# Altium PCB TB-S5D5_v1.2.PcbDoc (part 2 of 3)
Units mm, origin at the board's own origin, x right, y up, seen from the top; angles counter-clockwise.
Board outline 80 x 125 mm, 6 copper layers (Top L1, Sig L2, GND L3, Sig L4, Sig L5, Bot L6), stack 1.601 mm thick; 125 components, 261 nets, 672 pads, 551 vias.
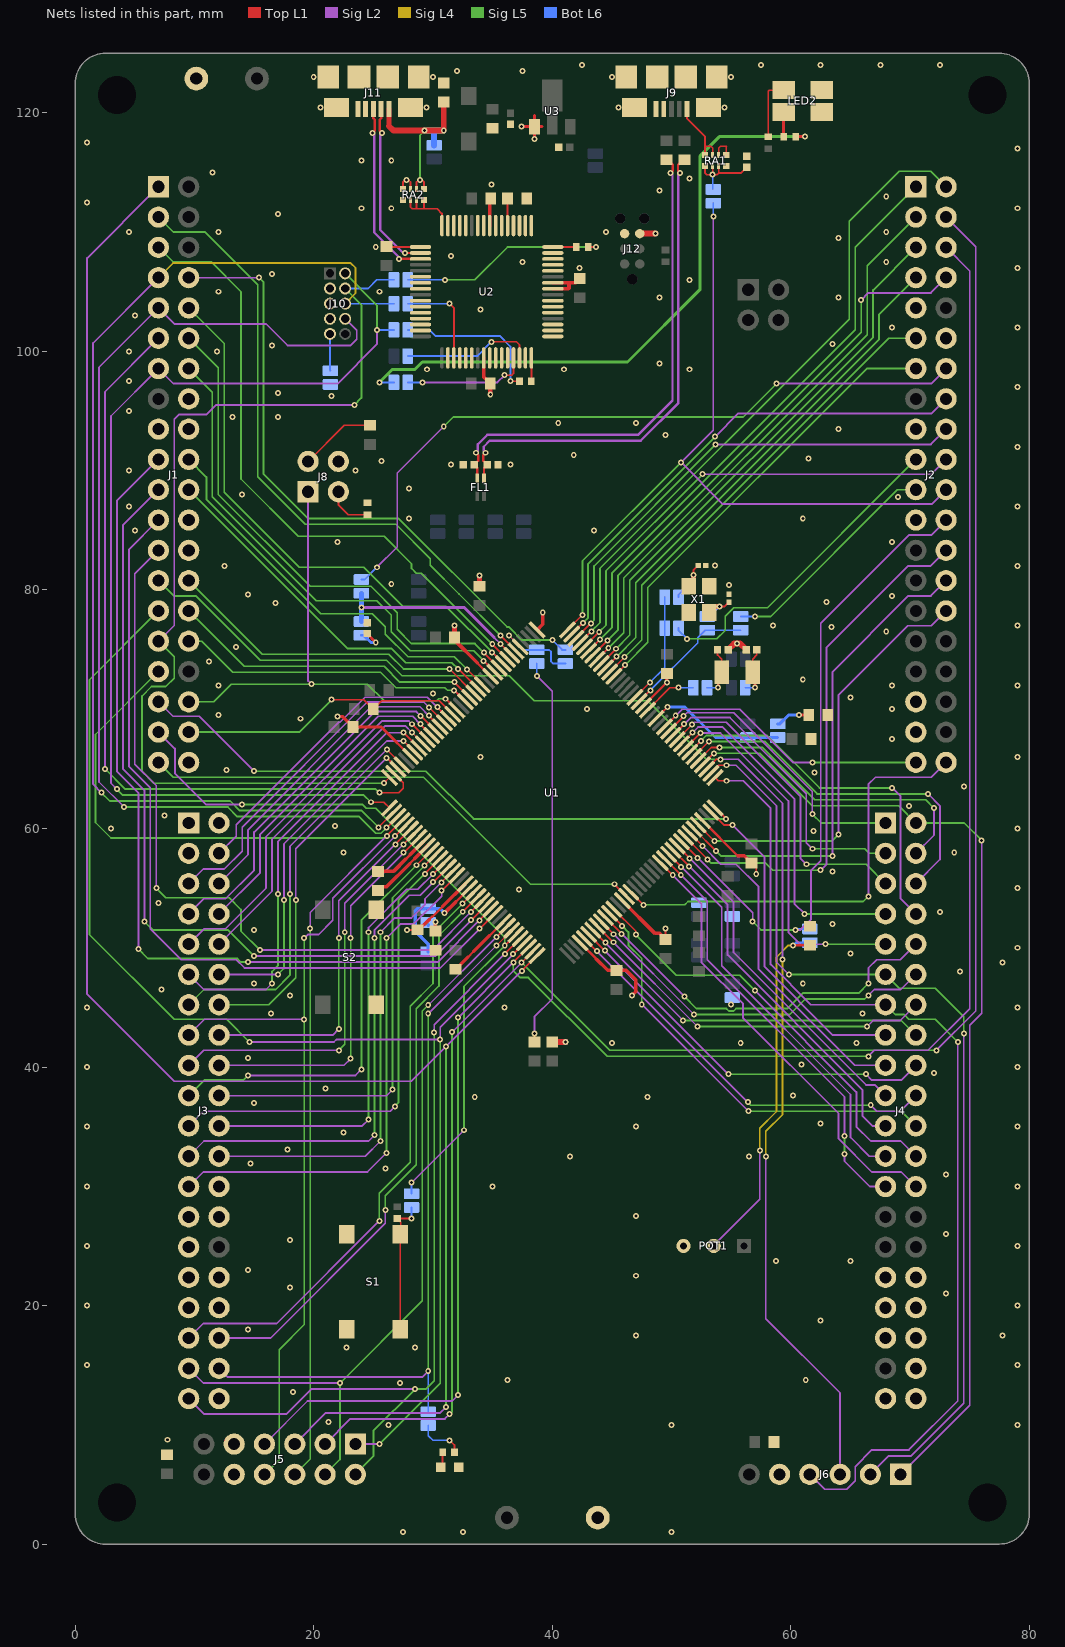
[diagram p6: the nets of this part, all layers, seen from the top]

## Via types
v1: diameter 0.5, hole 0.25, Top L1 to Bot L6, tented both sides, 551 vias

## Nets (pads, with @x,y where several pads share a name; then routed paths per layer and width w, separated by ;. In a path a pad name is that pad's centre, name@x,y a point inside that pad or via, vN(x,y) a via of type N, cw(c..) or ccw(c..) an arc to the next point about the centre after c; other vN are vias at no path point) (continued)
GND: C1.1 C2.1 C3.1 C4.1 C5.2 C6.2 C7.2 C9.2 C11.2 C12.1 C13.1 C14.1 C15.1 C16.1 C17.2 C18.2 C19.1 C20.1 C22.1 C24.1 C25.1 C26.1 C27.1 C28.2 C29.1 C30.1 C31.1 C32.1 C33.1 C50.2 C51.2 C52.2 C53.2 C54.2 E11.1 E31.1 E51.1 E53.1 J1.17 J2.12 J4.36 J5.5 J5.11 J6.5 J9.5 J9.C1 J9.C2 J9.C3 J9.C4 J10.3 J10.5 J11.5 J11.C1 J11.C2 J11.C3 J11.C4 J12.5 LED1.K LED2.2 LED2.4 POT1.3 R9.1 RA1.5 RA1.6 RA2.7 RA2.8 S1.1 S1.2 S2.1 S2.2 TP2.1 TP4.1 U1.18 U1.37 U1.48 U1.67 U1.82 U1.91 U1.100 U1.112 U1.122 U1.141 U2.8 U2.17 U2.40 U2.57 U2.58 U3.1 X1.2 X1.4 | length 82.3
  Top L1 w0.15: RA2.8@27.476,113.6 27.475,114.2 27.625,114.35 v1(27.794,114.35) 27.963,114.35 28.113,114.2 RA2.7@28.113,113.6 ; v1(27.8,51.5) C4.1@28.7,51.5 ; C7.2@49.5,50.7 v1(49.5,51.6) ; RA1.6@53.95,116.45 53.95,117.05 54.1,117.2 54.6,117.2 54.587,117.187 RA1.5@54.587,116.45 ; C9.2@56.7,57.1 57.1,56.7 v1(57.1,56.2)
  Top L1 w0.2: C27.1@26.15,108.75 U2.17@28.95,108.75 ; 26.981,67.181 U1.67@28.121,66.041 ; 28.045,57.055 28.454,57.464 ; 29.7,52.4 29.9,52.6 29.954,52.6 30.827,53.473 ; 32.909,49.191 33.418,49.7 ; 33.698,73.898 U1.48@34.838,72.758 ; 34.728,51.011 U1.100@35.899,52.181 ; U1.112@42.333,50.413 43.701,49.046 ; U1.18@47.637,70.283 v1(49.6,72.246) ; U1.141@52.586,60.667 55.553,57.7
  Top L1 w0.25: v1(22,69.4) 22.4,69.4 C53.2@23.3,68.5 25.661,68.5 26.981,67.181 ; C6.2@31.8,75.796 31.8,75.8 C6.2@31.8,76 ; v1(37.4,118.85) U3.1@38.5,118.85 ; v1(38.5,117.8) U3.1@38.5,118.85 ; 38.5,119.775 U3.1@38.5,118.85 ; 39.15,118.85 U3.1@38.5,118.85
  Top L1 w0.3: C52.2@25.4,54.8 25.7,55.1 26.09,55.1 28.045,57.055 ; C27.1@26.1,108.8 C27.1@26.15,108.75 ; 28.454,57.464 U1.82@29.535,58.545 ; C4.1@28.7,51.5 28.8,51.5 29.7,52.4 ; 30.827,53.473 U1.91@32.717,55.363 ; C6.2@31.8,75.8 33.7,73.9 ; C50.2@31.909,48.191 32.909,49.191 ; 33.418,49.7 34.728,51.011 ; U2.40@34.25,99.45 34.25,97.85 C24.1@34.8,97.3 ; U2.8@34.75,110.55 34.75,112.7 C29.1@34.85,112.8 ; U1.37@38.727,76.647 39.2,77.12 v1(39.2,78.1) ; U2.57@40.05,105.25 41.35,105.25 41.4,105.3 41.4,105.75 ; U2.58@40.05,105.75 41.4,105.75 ; C25.1@42.3,106.1 41.95,105.75 41.4,105.75 ; 43.701,49.046 44.647,48.1 C54.2@45.4,48.1 46.2,48.1 47,47.3 47,46.3 v1(46.7,46) ; U1.122@45.869,53.949 48.618,51.2 49,51.2 C7.2@49.5,50.7 ; v1(49.6,72.246) C18.2@49.6,73 ; 55.553,57.7 56.1,57.7 C9.2@56.7,57.1
  Top L1 w0.4: C6.2@31.8,76 v1(31.8,77) ; C11.2@33.9,80.3 v1(33.9,81.2) ; v1(34.8,96.4) C24.1@34.8,97.3
  Top L1 w0.5: C33.1@40,42.1 v1(41.1,42.1) ; J12.5@47.335,109.87 v1(48.67,109.87) ; C16.1@54.75,75 55.25,75.5 v1(55.5,75.5) 55.75,75.5 C15.1@56.25,75
  Top L1 w0.8: J5.5@12.86,8.565 J5.5@13.33,8.095
  other v1: 27.5,1 32.5,1 50,1 7.75,8.75 26.25,10 50,10 79,10 21.25,10.25 18.25,12.75 27.25,13.5 36.25,13.75 61.25,13.75 1,15 79,15 22.75,16.5 28.5,16.5 47,17.5 77.75,17.5 14.5,18 62.5,18.75 1,20 79,20 73,21 18,21.5 47,22.5 14.5,23 58.75,23.75 65,23.75 1,25 79,25 18,25.5 73,26 47,27.5 1,30 35,30 79,30 73,31 26,31.5 14.7,31.9 41.5,32.5 56.5,32.5 17.8,33.1 22.5,34.5 1,35 47,35 79,35 62.5,35.25 15,37 33.5,37.5 48,37.5 60.2,37.6 21,38.2 72,39.5 1,40 79,40 60.9,40.2 14.5,40.75 45,42 55.8,42 65.5,42 16.4,44.5 66,44.5 1,45 36,45 79,45 55,45.25 18,46 7.25,46.5 15,47 61,47 74.2,48 77.75,48.75 65,49.5 79,50 15,51.5 63.5,52 72.5,53 7,53.75 37.2,54.9 79,55 63.5,56.4 22.5,58 73.7,58 61.9,59.8 3,60 79,60 21.8,60.2 7.5,61.1 69.9,61.9 74.5,63.5 62,64.7 12.7,64.9 34,66 79,66 68.5,67.5 18.9,69.2 12,69.5 42.9,70 68.5,70 65,71 30,71.325 12,72 68.5,72 79,72 61,72.5 11.2,74 13.5,75.2 68,76.5 63.4,76.9 58.5,77 79,77 16.8,78.9 63,79 68.5,79.5 14.5,79.6 54.8,80.4 26.5,80.5 12.5,82 79,82 53.65,82.05 22,84 68.5,84 5,85 43.5,85 28,86 61,86 4.5,87 79,87 69,87.8 14,88 28,88.5 4.5,90 23.5,90 31.5,90.5 36.5,90.5 25.7,90.8 61.5,91 41.8,91.3 79,92 49.5,93 64,93.5 40.5,94 47,94 13.2,94.5 17,94.5 4.5,95 21.5,96.25 17,96.5 79,97 4.5,97.5 29.5,98.5 41,98.5 51.5,98.5 49,99 4.5,100 11.9,100 16.5,100.5 63.5,100.6 68.5,102 79,102 5,103 34,103.5 49,104.5 64,104.5 12,105 25.5,105 51.5,106 16.5,106.5 42.3,107 79,107 37.5,107.5 68,107.5 31.5,108 25.2,108.75 64,109.5 4.5,110 12,110 44.5,110 68,110 17,111.5 24,112 26.5,112 79,112 1,112.5 68,113 49,113.5 34.9,114 51.5,114.5 11.5,115 24,116 26.5,116 79,117 1,117.5 20.55,120.45 29.45,120.45 45.55,120.45 54.45,120.45 20,123 30,123 45,123 55,123 32,123.5 37.5,123.5 42.5,124 57.5,124 62.5,124 67.5,124 72.5,124
JLED: E32.1 R2.1 | length 52.8
  Top L1 w0.25: R2.1@60.4,118 v1(61.2,118)
  Sig L5 w0.25: v1(25.5,97.4) 26.6,98.5 28.5,98.5 29.1,99.1 46.3,99.1 52.4,105.2 52.4,116.4 54,118 v1(61.2,118)
  Bot L6 w0.15: v1(25.5,97.4) E32.1@26.725,97.4
JLOBU_N: J11.2 U2.18 | length 14.5
  Top L1 w0.2: J11.2@25.65,120.325 25.65,119.55 25.538,119.438 25.538,118.488 v1(25.725,118.3) ; v1(27.65,108.25) U2.18@28.95,108.25
  Sig L2 w0.2: v1(25.725,118.3) 25.575,118.15 25.575,110.179 27.504,108.25 v1(27.65,108.25)
JLOBU_P: J11.3 U2.19 | length 15.4
  Top L1 w0.2: v1(24.925,118.3) 25.112,118.487 25.112,119.438 25,119.55 J11.3@25,120.325 ; v1(27.15,107.75) U2.19@28.95,107.75
  Sig L2 w0.2: v1(24.925,118.3) 25.075,118.15 25.075,109.971 27.15,107.896 v1(27.15,107.75)
NetC12_2: C12.2 E15.1 | length 2.5
  Top L1 w0.25: C12.2@24.5,76.35 24.5,76.3 v1(25.2,75.6)
  Bot L6 w0.25: E15.1@24,76.2 24.2,76.2 24.8,75.6 v1(25.2,75.6)
NetC13_2: C13.2 E23.1 X1.3 | length 3.4
  Top L1 w0.15: v1(54,78.6) 54.43,78.6 C13.2@54.8,78.97
  Top L1 w0.4: X1.3@53.15,78.1 53.65,78.6 v1(54,78.6)
  Bot L6 w0.15: E23.1@53,77.775 53.175,77.775 v1(54,78.6)
NetC14_2: C14.2 E24.1 X1.1 | length 4.4
  Top L1 w0.15: v1(51.85,81.25) 51.85,81.68 C14.2@52.22,82.05
  Top L1 w0.4: X1.1@51.45,80.3 51.85,80.7 v1(51.85,81.25)
  Bot L6 w0.15: E24.1@50.575,79.4 50.575,79.575 51.85,80.85 v1(51.85,81.25)
NetC15_2: C15.2 E25.1 X2.1 | length 4.3
  Top L1 w0.15: X2.1@56.8,73.1 56.8,74.2 57.15,74.55 C15.2@57.15,75
  Top L1 w0.25: X2.1@56.8,73.1 57,72.9 v1(57,71.8)
  Bot L6 w0.15: E25.1@56.175,71.8 v1(57,71.8)
NetC16_2: C16.2 E26.1 X2.2 | length 4.4
  Top L1 w0.15: C16.2@53.85,75 53.85,74.55 54.2,74.2 X2.2@54.2,73.1
  Top L1 w0.2: v1(53.9,71.8) 53.9,72.8 X2.2@54.2,73.1
  Bot L6 w0.15: E26.1@52.975,71.8 v1(53.9,71.8)
NetC17_1: C17.1 E29.1 | length 2.9
  Top L1 w0.25: v1(60.7,69.5) C17.1@61.5,69.5
  Bot L6 w0.25: E29.1@58.9,68.775 59.075,68.775 59.8,69.5 v1(60.7,69.5)
NetC22_2: C22.2 E30.2 RA1.1 RA1.2 RA1.3 | length 7
  Top L1 w0.15: RA1.1@52.813,115.55 52.813,114.95 52.963,114.8 v1@53.45,114.8 ; RA1.2@53.45,115.55 v1(53.45,114.825) v1@53.45,114.8 ; RA1.3@53.95,115.55 53.95,114.95 ; C22.2@56.3,115.45 55.8,114.95 53.95,114.95 ; v1@53.45,114.8 53.8,114.8 53.95,114.95
  Bot L6 w0.15: E30.2@53.45,113.6 v1(53.45,114.825)
NetC26_2: C26.2 E35.1 J11.1 RA2.5 RA2.6 | length 17.7
  Top L1 w0.15: RA2.6@28.613,113.6 28.613,114.2 28.763,114.35 29.1,114.35 29.25,114.2 RA2.5@29.25,113.6
  Top L1 w0.4: 26.3,118.9 J11.1@26.3,120.325
  Top L1 w0.5: 26.3,118.9 26.7,118.5 v1(29.3,118.5) v1(30.9,118.5) C26.2@30.9,120.9
  Sig L5 w0.15: v1(28.9,114.35) 28.9,118.1 v1(29.3,118.5)
  Bot L6 w0.5: v1(29.3,118.5) 30.1,118.5 ; E35.1@30.1,117.275 30.1,118.5 ; v1(30.9,118.5) 30.1,118.5
NetC28_1: C28.1 U2.5 | length 2.3
  Top L1 w0.15: U2.5@36.25,110.55 C28.1@36.25,112.8
NetC30_2: C30.2 E36.2 POT1.2 | length 31.1
  Top L1 w0.2: v1(60.2,50.2) C30.2@61.6,50.2
  Sig L2 w0.15: POT1.2@53.5,25 57.4,28.9 v1(57.4,33)
  Sig L4 w0.15: v1(57.4,33) 57.4,34.868 58.8,36.268 58.8,49.2 59.8,50.2 v1(60.2,50.2)
  Bot L6 w0.2: v1(60.2,50.2) 60.425,50.425 E36.2@61.6,50.425
NetC31_2: C31.2 FL1.3 R52.1 | length 41.5
  Top L1 w0.2: v1(33.6,91.5) 33.787,91.313 33.787,90.837 C31.2@33.45,90.5 33.725,90.225 FL1.3@33.725,89.35 ; R52.1@49.775,115.963 50.112,115.625 50.112,115.15 v1(49.925,114.963)
  Sig L2 w0.2: v1(33.6,91.5) 33.75,91.65 33.75,92.204 ; 33.746,92.204 34.543,93 47.2,93 50.075,95.875 50.075,114.813 v1(49.925,114.963)
NetC32_2: C32.2 FL1.2 R51.1 | length 41.5
  Top L1 w0.2: FL1.2@34.275,89.35 34.275,90.225 C32.2@34.55,90.5 34.212,90.837 34.212,91.312 v1(34.4,91.5) ; v1(50.725,114.963) 50.537,115.15 50.537,115.625 R51.1@50.875,115.963
  Sig L2 w0.2: v1(34.4,91.5) 34.25,91.65 34.25,92 34.75,92.5 47.407,92.5 50.575,95.668 50.575,114.813 v1(50.725,114.963)
NetC51_1: C51.1 E54.1 | length 0.8
  Top L1 w0.3: C51.1@30.2,51.4 v1(30.2,52.139)
  Bot L6 w0.3: E54.1@29.6,51.9 E54.1@29.6,51.925
NetC52_1: C52.1 U1.81 | length 4.8
  Top L1 w0.2: 27.691,57.409 28.1,57.818
  Top L1 w0.3: C52.1@25.4,56.4 26.682,56.4 27.691,57.409 ; 28.1,57.818 U1.81@29.181,58.899
NetE2_2: E2.2 R4.1 | length 32.9
  Top L1 w0.15: R4.1@38.5,42.1 v1(38.5,42.8)
  Sig L2 w0.15: v1(38.5,42.8) 38.5,44.2 40,45.7 40,71.5 v1(38.7,72.8)
  Bot L6 w0.15: v1(38.7,72.8) E2.2@38.7,73.825
NetE3_2: E3.2 R5.2 | length 4
  Top L1 w0.15: v1(31.4,8.7) 31.8,8.3 R5.2@31.8,7.7
  Bot L6 w0.15: E3.2@29.6,9.95 29.6,9.1 30,8.7 v1(31.4,8.7)
NetE4_2: E4.2 R3.1 S1.3 S1.4 | length 11.2
  Top L1 w0.15: S1.3@27.25,18.025 S1.4@27.25,25.975 ; S1.4@27.3,26.3 27.3,27 R3.1@27,27.3 v1(28.2,27.3)
  Bot L6 w0.15: v1(28.2,27.3) E4.2@28.2,28.225
NetE26_2: E26.2 U1.17 | length 4.6
  Top L1 w0.15: U1.17@47.99,69.93 49.861,71.8 v1(50.6,71.8)
  Bot L6 w0.15: v1(50.6,71.8) E26.2@51.825,71.8
NetE28_2: E28.2 E29.2 U1.15 | length 13
  Top L1 w0.15: U1.15@48.697,69.223 v1(49.643,70.168) U1.15@48.697,69.223
  Bot L6 w0.25: v1(49.643,70.168) 51.132,70.168 53.675,67.625 E28.2@56.4,67.625 E29.2@58.9,67.625
NetE31_2: E31.2 J10.9 | length 3.1
  Bot L6 w0.15: J10.9@21.365,101.46 21.365,98.41 E31.2@21.4,98.375
NetE32_2: E32.2 U2.45 | length 10.5
  Top L1 w0.15: v1(36,98) 36.6,98 36.75,98.15 U2.45@36.75,99.45
  Sig L2 w0.15: v1(29.1,97.4) 35.4,97.4 v1(36,98)
  Bot L6 w0.15: E32.2@27.875,97.4 v1(29.1,97.4)
NetE33_2: E33.2 U2.46 | length 11.1
  Top L1 w0.15: v1(34.9,100.8) 37,100.8 37.25,100.55 U2.46@37.25,99.45
  Bot L6 w0.15: E33.2@27.875,99.6 33.7,99.6 v1(34.9,100.8)
NetE34_2: E34.2 U2.35 | length 8.2
  Top L1 w0.15: v1(31.4,104) 31.75,103.65 U2.35@31.75,99.45
  Bot L6 w0.15: E34.2@27.875,104 v1(31.4,104)
NetE37_2: E37.2 R11.1 | length 12.9
  Top L1 w0.15: v1(36.5,97.5) R11.1@37.25,97.5
  Bot L6 w0.15: E37.2@27.875,101.8 29.681,101.8 30.181,101.3 35.6,101.3 36.5,100.4 v1(36.5,97.5)
NetE38_2: E38.2 R12.1 | length 17.6
  Top L1 w0.15: R12.1@43,108.75 v1(43.65,108.75)
  Sig L5 w0.15: v1(31,106) 33.5,106 36.25,108.75 v1(43.65,108.75)
  Bot L6 w0.15: E38.2@27.875,106 v1(31,106)
NetE54_2: E54.2 E55.1 U1.92 | length 9.5
  Top L1 w0.2: 31.9,53.839 U1.92@33.07,55.01
  Top L1 w0.3: v1(30.968,52.908) 31.9,53.839
  Bot L6 w0.3: E55.1@29.6,49.675 29.6,50.3 28.5,51.4 28.5,53.1 28.675,53.275 E54.2@29.6,53.275 30.601,53.275 v1(30.968,52.908)
NetJ1_16: J1.16
NetJ1_18: J1.18
NetJ1_24: J1.24
NetJ1_26: J1.26
NetJ1_40: J1.40
NetJ2_9: J2.9
NetJ2_17: J2.17
NetJ2_23: J2.23
NetJ2_35: J2.35
NetJ2_37: J2.37
NetJ3_1: J3.1
NetJ3_2: J3.2
NetJ3_3: J3.3
NetJ3_26: J3.26
NetJ3_27: J3.27
NetJ3_28: J3.28
NetJ3_29: J3.29
NetJ3_31: J3.31
NetJ3_32: J3.32
NetJ3_33: J3.33
NetJ3_34: J3.34
NetJ3_40: J3.40
NetJ4_31: J4.31
NetJ4_32: J4.32
NetJ4_33: J4.33
NetJ4_34: J4.34
NetJ4_35: J4.35
NetJ4_38: J4.38
NetJ4_39: J4.39
NetJ4_40: J4.40
NetJ8_2: J8.2 R8.1 | length 6.4
  Top L1 w0.15: J8.2@19.53,90.77 22.56,93.8 R8.1@24.7,93.8
NetJ8_3: J8.3 R9.2 | length 3.9
  Top L1 w0.15: J8.3@22.07,88.23 22.07,87.13 22.9,86.3 R9.2@24.5,86.3
NetJ8_4: J8.4
NetJ9_1: J9.1 RA1.7 RA1.8 | length 5.8
  Top L1 w0.15: J9.1@51.3,120.325 51.3,119.5 52.813,117.987 52.813,117.2 ; RA1.8@52.813,116.45 52.813,117.2 ; RA1.7@53.45,116.45 53.45,117.05 53.3,117.2 52.813,117.2
NetJ9_4: J9.4
NetJ10_7: J10.7
NetJ11_4: J11.4
NetJ12_6: J12.6
NetLED1_A: LED1.A R5.1 | length 1.3
  Top L1 w0.15: LED1.A@30.65,6.45 30.8,6.6 R5.1@30.8,7.7
NetLED2_1: LED2.1 R1.2 | length 5.2
  Top L1 w0.152: R1.2@58.1,118 58.1,121.8 58.2,121.9 59.375,121.9 LED2.1@59.4,121.925
NetLED2_3: LED2.3 R2.2 | length 2.1
  Top L1 w0.25: R2.2@59.4,118 LED2.3@59.4,120.075
NetR11_2: R11.2 U2.48 | length 1.9
  Top L1 w0.15: R11.2@38.25,97.5 U2.48@38.25,99.45
NetR12_2: R12.2 U2.64 | length 1.9
  Top L1 w0.15: U2.64@40.05,108.75 R12.2@42,108.75
NetRA1_4: RA1.4
NetRA2_1: RA2.1
NetRA2_2: RA2.2 RA2.3 RA2.4 U2.16 | length 6
  Top L1 w0.15: RA2.2@28.113,112.7 28.113,112.1 28.263,111.95 28.613,111.95 ; RA2.3@28.613,112.7 28.613,111.95 ; RA2.4@29.25,112.7 29.25,111.95 ; U2.16@30.75,110.55 30.75,111.55 30.35,111.95 29.25,111.95 ; 28.613,111.95 29.25,111.95
NetU2_1: U2.1
NetU2_2: U2.2
NetU2_3: U2.3
NetU2_4: U2.4
NetU2_6: U2.6
NetU2_7: U2.7
NetU2_9: U2.9
NetU2_10: U2.10
NetU2_12: U2.12
NetU2_13: U2.13
NetU2_14: U2.14
NetU2_15: U2.15
NetU2_22: U2.22
NetU2_23: U2.23
NetU2_24: U2.24
NetU2_26: U2.26
NetU2_27: U2.27
NetU2_28: U2.28
NetU2_29: U2.29
NetU2_30: U2.30
NetU2_31: U2.31
NetU2_34: U2.34
NetU2_36: U2.36
NetU2_37: U2.37
NetU2_38: U2.38
NetU2_41: U2.41
NetU2_42: U2.42
NetU2_43: U2.43
NetU2_44: U2.44
NetU2_47: U2.47
NetU2_49: U2.49
NetU2_50: U2.50
NetU2_51: U2.51
NetU2_53: U2.53
NetU2_54: U2.54
NetU2_55: U2.55
NetU2_60: U2.60
NetU2_61: U2.61
NetU2_62: U2.62
NetU2_63: U2.63
P000: J2.30 U1.140 | length 36.2
  Top L1 w0.15: U1.140@52.233,60.313 v1(53.6,58.946)
  Sig L2 w0.15: v1(64,59.5) 64,71.2 69.8,77 71.78,77 J2.30@73.02,78.24
  Sig L5 w0.15: v1(53.6,58.946) 63.446,58.946 v1(64,59.5)
P001: J2.28 U1.139 | length 40.7
  Top L1 w0.15: U1.139@51.879,59.959 v1(53.739,58.1)
  Sig L2 w0.15: v1(63.5,57.7) 63.5,73.144 69.856,79.5 71.74,79.5 J2.28@73.02,80.78
  Sig L5 w0.15: v1(53.739,58.1) 54.139,57.7 v1(63.5,57.7)
P002: J4.17 U1.138 | length 28.5
  Top L1 w0.15: U1.138@51.526,59.606 v1(52.6,58.532)
  Sig L2 w0.15: v1(52.6,58.532) 54.132,57 55.4,57 57.3,55.1 57.3,48.2 65.36,40.14 J4.17@67.94,40.14
P003: J2.26 U1.137 | length 44.8
  Top L1 w0.15: U1.137@51.172,59.252 v1(53.025,57.4)
  Sig L2 w0.15: v1(62.5,56.5) 63,57 63,75.2 69.8,82 71.7,82 J2.26@73.02,83.32
  Sig L5 w0.15: v1(53.025,57.4) 53.325,57.1 57.9,57.1 58.5,56.5 v1(62.5,56.5)
P004: E36.1 J2.24 U1.136 | length 55.2
  Top L1 w0.15: U1.136@50.819,58.899 v1(52.186,57.532)
  Sig L2 w0.15: v1(52.186,57.532) 56.8,52.918 v1(56.8,52.2) ; v1(60.4,51.5) 60.8,51.5 61.7,52.4 61.7,56.5 62.5,57.3 62.5,77.2 69.9,84.6 71.76,84.6 J2.24@73.02,85.86
  Sig L5 w0.15: v1(56.8,52.2) 57.5,51.5 v1(60.4,51.5)
  Bot L6 w0.2: v1(60.4,51.5) 60.6,51.5 60.675,51.575 E36.1@61.6,51.575
P005: J4.19 U1.135 | length 28.6
  Top L1 w0.15: U1.135@50.465,58.545 v1(51.514,57.496)
  Sig L2 w0.15: v1(51.514,57.496) 55.2,53.81 55.2,49.6 66.3,38.5 67.04,38.5 J4.19@67.94,37.6
P006: J4.21 U1.134 | length 31.2
  Top L1 w0.15: U1.134@50.112,58.192 v1(51.479,56.825)
  Sig L2 w0.15: v1(51.479,56.825) 54.7,53.603 54.7,49.4 66,38.1 66,35.9 66.84,35.06 J4.21@67.94,35.06
P007: J4.23 U1.133 | length 33.6
  Top L1 w0.15: U1.133@49.758,57.838 v1(50.807,56.789)
  Sig L2 w0.15: v1(50.807,56.789) 54.2,53.396 54.2,48.5 65,37.7 65,34.1 66.58,32.52 J4.23@67.94,32.52
P008: J4.25 U1.132 | length 36
  Top L1 w0.15: U1.132@49.405,57.485 v1(50.772,56.118)
  Sig L2 w0.15: v1(50.772,56.118) 53,53.889 53,49 64.5,37.5 v1(64.5,34.2) ; v1(64.5,32.7) 64.5,32.1 66.62,29.98 J4.25@67.94,29.98
  Sig L5 w0.15: v1(64.5,32.7) v1(64.5,34.2)
P009: J4.26 U1.131 | length 37.5
  Top L1 w0.15: U1.131@49.051,57.131 v1(50.1,56.082)
  Sig L2 w0.15: v1(50.1,56.082) 52.5,53.682 52.5,48.8 56,45.3 56,44.1 64,36.1 64,34 66.8,31.2 69.26,31.2 J4.26@70.48,29.98
P014: J2.40 U1.124 | length 37.3
  Top L1 w0.15: U1.124@46.576,54.656 v1(47.632,53.6)
  Sig L2 w0.15: v1(66.5,54.3) 66.5,63.7 67.1,64.3 71.78,64.3 J2.40@73.02,65.54
  Sig L5 w0.15: v1(47.632,53.6) 51.1,53.6 51.375,53.875 66.075,53.875 v1(66.5,54.3)
P015: J1.39 U1.123 | length 43.9
  Top L1 w0.15: v1(45.2,55.325) U1.123@46.223,54.303
  Sig L5 w0.15: J1.39@6.98,65.54 8.22,64.3 29.2,64.3 38.175,55.325 v1(45.2,55.325)
P100: J1.1 J5.3 U1.108 | length 159.5
  Top L1 w0.15: v1(37.443,48.068) U1.108@38.727,49.353
  Sig L2 w0.15: J1.1@6.98,113.8 1,107.82 1,46.1 8.3,38.8 28.174,38.8 v1(31.1,41.726) v1(37.443,48.068) ; J5.3@18.41,8.39 21.02,11 30.6,11 v1(31.1,11.5)
  Sig L5 w0.15: v1(31.1,11.5) v1(31.1,41.726)
P101: J2.4 J5.2 U1.107 | length 163.2
  Top L1 w0.15: v1(37.428,48.761) U1.107@38.374,49.706
  Sig L2 w0.15: J5.2@20.95,8.39 23.06,10.5 31,10.5 v1(31.4,10.9) ; v1(31.6,42.933) v1(37.428,48.761) ; v1(72.2,41.4) 75.5,44.7 75.5,108.78 J2.4@73.02,111.26
  Sig L5 w0.15: v1(31.4,10.9) 31.6,11.1 v1(31.6,42.933) ; v1(37.428,48.761) 37.998,48.195 44.833,41.4 v1(72.2,41.4)
P102: J2.6 J5.4 U1.106 | length 166.2
  Top L1 w0.15: v1(36.736,48.775) U1.106@38.02,50.06
  Sig L2 w0.15: J5.4@15.87,8.39 19.48,12 31.6,12 v1(32.1,12.5) ; v1(32.1,44.14) v1(36.736,48.775) ; v1(66.5,40.9) 67,41.4 71.5,41.4 75,44.9 75,106.74 J2.6@73.02,108.72
  Sig L5 w0.15: v1(32.1,12.5) v1(32.1,44.14) ; v1(36.736,48.775) 36.736,48.064 37.3,47.5 38,47.5 44.6,40.9 v1(66.5,40.9)
P103: J1.29 J5.1 U1.105 | length 111.8
  Top L1 w0.15: v1(36.721,49.468) U1.105@37.667,50.413
  Sig L2 w0.15: v1(14.6,42.1) 21.7,42.1 21.9,42.3 v1(30.6,42.3) 30.6,43.347 v1(36.721,49.468) ; J5.1@23.49,8.39 v1(25.5,8.39)
  Sig L5 w0.15: J1.29@6.98,78.24 1.2,72.46 1.2,51.1 8.3,44 12.7,44 v1(14.6,42.1) ; v1(25.5,8.39) 30.6,13.49 v1(30.6,42.3)
P104: J3.39 J5.7 U1.104 | length 71.6
  Top L1 w0.15: v1(36.028,49.482) U1.104@37.313,50.767
  Sig L2 w0.15: J3.39@9.52,12.2 10.82,10.9 17.7,10.9 19.8,13 v1(28.5,13) ; v1(30.1,42.9) 30.1,43.554 v1(36.028,49.482)
  Sig L5 w0.15: J5.7@23.49,5.85 25,7.36 25,9.5 v1(28.5,13) 29.4,13 30.1,13.7 v1(30.1,42.9)
P105: E4.1 J1.37 U1.103 | length 63.4
  Top L1 w0.15: v1(36.014,50.175) U1.103@36.959,51.121
  Sig L2 w0.15: J1.37@6.98,68.08 8.36,66.7 8.36,64.64 11,62 v1(14,62) ; v1(28.2,30.3) v1(32.6,34.7)
  Sig L5 w0.15: v1(14,62) 24.1,62 24.4,61.7 25.2,61.7 36.014,50.886 v1(36.014,50.175) 32.6,46.761 v1(32.6,34.7)
  Bot L6 w0.15: E4.1@28.2,29.375 v1(28.2,30.3)
P106: E3.1 J3.38 U1.102 | length 61.3
  Top L1 w0.15: v1(35.321,50.19) U1.102@36.606,51.474
  Sig L2 w0.15: J3.38@12.06,14.74 12.8,14 29.1,14 v1(29.6,14.5) ; v1(29.6,44.468) v1(35.321,50.19)
  Sig L5 w0.15: v1(29.6,14.5) v1(29.6,44.468)
  Bot L6 w0.15: E3.1@29.6,11.1 v1(29.6,14.5)
P107: J3.37 J5.8 U1.101 | length 65.5
  Top L1 w0.15: v1(35.307,50.882) U1.101@36.252,51.828
  Sig L2 w0.15: J3.37@9.52,14.74 10.76,13.5 v1(22.2,13.5) ; v1(29.6,45.2) 29.625,45.2 v1(35.307,50.882)
  Sig L5 w0.15: J5.8@20.95,5.85 22.2,7.1 v1(22.2,13.5) 29.1,20.4 29.1,44.7 v1(29.6,45.2)
P108/SWDIO: E37.1 J1.13 J10.2 U1.73 | length 89.3
  Top L1 w0.15: v1(24.8,62.2) 25.88,62.2 U1.73@26.353,61.727
  Sig L2 w0.15: v1(3.5,63.3) 3,63.8 3,94.58 J1.13@6.98,98.56 8.24,97.3 22,97.3 25.3,100.6 v1(25.3,101.8)
  Sig L5 w0.15: v1(3.5,63.3) 4,62.8 24.2,62.8 v1(24.8,62.2) ; J10.2@22.635,106.54 25.3,103.875 v1(25.3,101.8)
  Bot L6 w0.15: v1(25.3,101.8) E37.1@26.725,101.8
P109: E34.1 J1.7 J10.6 U1.74 | length 96.6
  Top L1 w0.15: v1(25.433,60.1) U1.74@26.706,61.374
  Sig L2 w0.15: v1(2.2,63) 1.5,63.7 1.5,100.7 J1.7@6.98,106.18
  Sig L5 w0.15: v1(2.2,63) 2.9,62.3 13,62.3 13.8,61.5 24.033,61.5 v1(25.433,60.1)
  Sig L4 w0.15: J1.7@6.98,106.18 8.2,107.4 23.1,107.4 23.5,107 23.5,104.865 J10.6@22.635,104
  Bot L6 w0.15: J10.6@22.635,104 E34.1@26.725,104
P110: J1.9 J10.8 U1.75 | length 89.5
  Top L1 w0.15: v1(26.115,60.075) U1.75@27.06,61.02
  Sig L2 w0.15: v1(4.1,61.8) 2,63.9 2,98.66 J1.9@6.98,103.64 8.32,102.3 16,102.3 17.8,100.5 23.1,100.5 23.6,101 23.6,101.765 J10.8@22.635,102.73
  Sig L5 w0.15: v1(4.1,61.8) 12.8,61.8 13.6,61 23.8,61 25.2,59.6 25.64,59.6 v1(26.115,60.075)
P111: J1.33 J5.9 U1.76 | length 98.4
  Top L1 w0.15: v1(26.129,59.382) U1.76@27.413,60.667
  Sig L2 w0.15: v1(19.7,51.6) 19.7,52.953 v1(26.129,59.382)
  Sig L5 w0.15: J1.33@6.98,73.16 1.7,67.88 1.7,60.5 3,59.2 25.947,59.2 v1(26.129,59.382) ; J5.9@18.41,5.85 19.7,7.14 v1(19.7,51.6)
P112: J3.15 J5.10 U1.77 | length 70.1
  Top L1 w0.15: v1(26.822,59.368) U1.77@27.767,60.313
  Sig L2 w0.15: J3.15@9.52,42.68 10.84,44 v1(19.2,44) ; v1(19.2,50.8) 19.5,51.1 20.4,51.1 21.6,52.3 21.6,54.146 v1(26.822,59.368)
  Sig L5 w0.15: J5.10@15.87,5.85 17.1,7.08 17.1,16.31 19.2,18.41 v1(19.2,44) v1(19.2,50.8)
P113: J3.16 U1.78 | length 29.5
  Top L1 w0.15: v1(26.836,58.675) U1.78@28.121,59.959
  Sig L2 w0.15: J3.16@12.06,42.68 21.58,42.68 v1(22.1,43.2) ; v1(22.1,50.8) 22.1,53.939 v1(26.836,58.675)
  Sig L5 w0.15: v1(22.1,43.2) v1(22.1,50.8)
P114: J3.17 U1.79 | length 33.9
  Top L1 w0.15: v1(27.529,58.661) U1.79@28.474,59.606
  Sig L2 w0.15: J3.17@9.52,40.14 10.78,41.4 v1(22.1,41.4) ; v1(22.6,51.3) 22.6,53.732 v1(27.529,58.661)
  Sig L5 w0.15: v1(22.1,41.4) 22.6,41.9 v1(22.6,51.3)
P115: J3.18 U1.80 | length 32.2
  Top L1 w0.15: v1(27.543,57.968) U1.80@28.828,59.252
  Sig L2 w0.15: J3.18@12.06,40.14 22.54,40.14 v1(23.1,40.7) ; v1(23.1,50.8) 23.1,53.525 v1(27.543,57.968)
  Sig L5 w0.15: v1(23.1,40.7) v1(23.1,50.8)
P200/NMI: J1.38 R7.1 U1.57 | length 24.3
  Top L1 w0.15: v1(21.5,70.8) 24.2,70.8 R7.1@25,70 25.7,70.7 30.532,70.7 U1.57@31.656,69.576
  Sig L5 w0.15: J1.38@9.52,68.08 18.78,68.08 v1(21.5,70.8)
P201/MD: J1.36 J8.1 U1.56 | length 40.4
  Top L1 w0.15: v1(31.064,70.875) U1.56@32.01,69.93
  Sig L2 w0.15: J8.1@19.53,88.23 19.53,72.37 v1(19.8,72.1)
  Sig L5 w0.15: J1.36@9.52,70.62 11.62,70.62 13.1,72.1 v1(19.8,72.1) 24.5,72.1 25.9,70.7 30.3,70.7 30.475,70.875 v1(31.064,70.875)
P202: J1.12 U1.46 | length 44.5
  Top L1 w0.15: v1(34.261,74.75) U1.46@35.545,73.465
  Sig L5 w0.15: J1.12@9.52,101.1 12,98.62 12,88 19.7,80.3 24.8,80.3 27,78.1 27,76.7 28.2,75.5 33.51,75.5 v1(34.261,74.75)
P203: J1.10 U1.45 | length 46
  Top L1 w0.15: v1(34.954,74.764) U1.45@35.899,73.819
  Sig L5 w0.15: J1.10@9.52,103.64 12.5,100.66 12.5,88.2 18.8,81.9 24.2,81.9 27.5,78.6 31.118,78.6 v1(34.954,74.764)
P204: J1.5 U1.44 | length 53
  Top L1 w0.15: v1(34.968,75.457) U1.44@36.252,74.172
  Sig L5 w0.15: J1.5@6.98,108.72 8.2,107.5 11.4,107.5 13.9,105 13.9,89.3 18.7,84.5 25.9,84.5 28.2,82.2 28.2,81.8 28.6,81.4 29.025,81.4 v1(34.968,75.457)
P205: E12.2 J2.14 | length 60
  Sig L2 w0.15: v1(25.3,81.9) 27,83.6 27,89.8 v1(30.9,93.7) ; v1(58.8,97.3) 71.76,97.3 J2.14@73.02,98.56
  Sig L5 w0.15: v1(30.9,93.7) 31.7,94.5 56,94.5 v1(58.8,97.3)
  Bot L6 w0.15: E12.2@24,80.875 24.275,80.875 v1(25.3,81.9)
P205_MCU: E12.1 E15.2 U1.43 | length 16.6
  Top L1 w0.15: v1(35.661,75.471) U1.43@36.606,74.526
  Sig L2 w0.15: 35.129,76.003 v1(35.661,75.471)
  Sig L2 w0.25: v1(24,78.538) 32.594,78.538 35.129,76.003
  Bot L6 w0.4: E15.2@24,77.35 v1(24,78.538) E12.1@24,79.725
P206: J1.3 U1.42 | length 54.8
  Top L1 w0.15: v1(35.675,76.164) U1.42@36.959,74.879
  Sig L5 w0.15: J1.3@6.98,111.26 8.24,110 10.9,110 15.3,105.6 15.3,89.5 19.3,85.5 26.9,85.5 29.775,82.625 29.775,82.064 32.181,79.658 v1(35.675,76.164)
P207: E2.1 E5.1 U1.41 | length 7.5
  Top L1 w0.15: v1(36.368,76.178) U1.41@37.313,75.233
  Bot L6 w0.15: v1(36.368,76.178) 37.571,74.975 E2.1@38.7,74.975 39.725,74.975 39.9,74.8 39.9,74 40.075,73.825 E5.1@41.1,73.825
P207J: E5.2 J1.8 | length 54
  Sig L2 w0.15: J1.8@9.52,106.18 v1(15.42,106.18)
  Sig L2 w0.25: J1.8@9.52,106.18 J1.8@9.54,106.2
  Sig L5 w0.15: v1(15.42,106.18) 15.8,105.8 15.8,89.7 19.5,86 27.1,86 36.2,76.9 36.353,76.9 37.453,75.8 v1(40,75.8)
  Bot L6 w0.15: v1(40,75.8) 40.825,74.975 E5.2@41.1,74.975
P208: J1.32 U1.54 | length 25.3
  Top L1 w0.15: v1(31.772,71.582) U1.54@32.717,70.637
  Sig L5 w0.15: J1.32@9.52,75.7 10.6,75.7 13.2,73.1 25.6,73.1 26.9,71.8 31,71.8 31.218,71.582 v1(31.772,71.582)
P209: J1.30 U1.53 | length 26.6
  Top L1 w0.15: v1(31.786,72.275) U1.53@33.07,70.99
  Sig L5 w0.15: J1.30@9.52,78.24 14.16,73.6 25.9,73.6 27.225,72.275 v1(31.786,72.275)
P210: J1.28 U1.52 | length 27.8
  Top L1 w0.15: v1(31.4,73.368) U1.52@33.424,71.344
  Sig L5 w0.15: J1.28@9.52,80.78 15.7,74.6 26.3,74.6 27.532,73.368 v1(31.4,73.368)
P211: J1.22 U1.51 | length 31.2
  Top L1 w0.15: v1(32.1,73.375) U1.51@33.777,71.697
  Sig L5 w0.15: J1.22@9.52,88.4 22.82,75.1 26.5,75.1 27.7,73.9 31.575,73.9 v1(32.1,73.375)
P212: E19.1 J2.19 | length 27.3
  Sig L5 w0.15: v1(51.3,75.9) 53.8,75.9 54.5,76.6 54.5,77.8 55.2,78.5 58.04,78.5 J2.19@70.48,90.94
  Bot L6 w0.15: E19.1@50.575,76.8 50.575,76.625 v1(51.3,75.9)
P212_MCU: E19.2 E24.2 U1.20 | length 9.4
  Top L1 w0.15: U1.20@46.93,70.99 v1(48.179,72.239)
  Bot L6 w0.15: v1(48.179,72.239) 49.425,73.486 E19.2@49.425,76.8 E24.2@49.425,79.4
P213: E18.1 J2.21 | length 19.1
  Sig L5 w0.15: v1(57,77.775) 58.3,77.775 68.925,88.4 J2.21@70.48,88.4
  Bot L6 w0.15: E18.1@55.8,77.775 v1(57,77.775)
P213_MCU: E18.2 E23.2 U1.19 | length 11.3
  Top L1 w0.15: U1.19@47.283,70.637 v1(48.228,71.582)
  Bot L6 w0.15: v1(48.228,71.582) 52.2,75.554 52.2,76 52.825,76.625 E23.2@53,76.625 E18.2@55.8,76.625
P214: J1.20 U1.50 | length 33.9
  Top L1 w0.15: v1(32.846,73.336) U1.50@34.131,72.051
  Sig L5 w0.15: J1.20@9.52,90.94 11,89.46 11,87.6 20.6,78 24.9,78 26,76.9 26,76.3 27.9,74.4 31.782,74.4 v1(32.846,73.336)
P300/SWCLK: E38.1 J1.31 J10.4 U1.72 | length 84.4
  Top L1 w0.15: v1(25.88,63.8) U1.72@26.353,64.273
  Sig L2 w0.15: J1.31@6.98,75.7 8.3,77.02 8.3,94.3 8.7,94.7 11,94.7 11.8,95.5 18.925,95.5 v1(23.4,95.5)
  Sig L5 w0.15: J1.31@6.98,75.7 8.3,74.38 8.3,72.6 7.6,71.9 6.4,71.9 5.6,71.1 5.6,64.8 6.6,63.8 v1(25.88,63.8) ; J10.4@22.635,105.27 24,103.905 24,96.1 v1(23.4,95.5)
  Bot L6 w0.15: J10.4@22.635,105.27 24.57,105.27 25.3,106 E38.1@26.725,106
P301: J1.11 U1.71 | length 65.5
  Top L1 w0.15: v1(25.5,63) 27.133,63 27.5,63.367 27.5,63.833 U1.71@26.706,64.626
  Sig L2 w0.15: v1(2.5,65) 2.5,96.62 J1.11@6.98,101.1
  Sig L5 w0.15: v1(2.5,65) 4.2,63.3 25.2,63.3 v1(25.5,63)
P302: J3.14 U1.70 | length 30.3
  Top L1 w0.15: v1(26.115,65.925) U1.70@27.06,64.98
  Sig L2 w0.15: v1(18.5,54) 18.5,58.31 v1(26.115,65.925)
  Sig L5 w0.15: J3.14@12.06,45.22 16.22,45.22 18.5,47.5 v1(18.5,54)
P303: J3.13 U1.69 | length 33.6
  Top L1 w0.15: v1(26.129,66.618) U1.69@27.413,65.333
  Sig L2 w0.15: v1(18,54.5) 18,58.489 v1(26.129,66.618)
  Sig L5 w0.15: J3.13@9.52,45.22 10.8,46.5 16.8,46.5 18,47.7 v1(18,54.5)
P304: J3.12 U1.66 | length 31
  Top L1 w0.15: v1(27.529,67.339) U1.66@28.474,66.394
  Sig L2 w0.15: J3.12@12.06,47.76 v1(17,47.76) ; v1(17.5,54) 17.5,58.7 26.139,67.339 v1(27.529,67.339)
  Sig L5 w0.15: v1(17,47.76) 17.5,48.26 v1(17.5,54)
P305: J3.11 U1.65 | length 36
  Top L1 w0.15: v1(27.543,68.032) U1.65@28.828,66.748
  Sig L2 w0.15: J3.11@9.52,47.76 10.78,46.5 16,46.5 v1(16.5,47) ; v1(17,54.5) 17,58.9 26.132,68.032 v1(27.543,68.032)
  Sig L5 w0.15: v1(16.5,47) 16.5,48 17,48.5 v1(17,54.5)
P306: J3.10 U1.64 | length 27.9
  Top L1 w0.15: v1(28.236,68.046) U1.64@29.181,67.101
  Sig L2 w0.15: J3.10@12.06,50.3 16.5,54.74 16.5,59.1 26,68.6 27.682,68.6 v1(28.236,68.046)
P307: J3.9 U1.63 | length 30.9
  Top L1 w0.15: v1(28.25,68.739) U1.63@29.535,67.455
  Sig L2 w0.15: J3.9@9.52,50.3 10.82,51.6 12.6,51.6 16,55 16,59.3 25.7,69 27.99,69 v1(28.25,68.739)
P308: J3.8 U1.62 | length 27.2
  Top L1 w0.15: v1(28.943,68.754) U1.62@29.888,67.808
  Sig L2 w0.15: J3.8@12.06,52.84 12.06,52.86 15.5,56.3 15.5,59.5 25.4,69.4 28.297,69.4 v1(28.943,68.754)
P309: J3.7 U1.61 | length 30.3
  Top L1 w0.15: v1(28.957,69.446) U1.61@30.242,68.162
  Sig L2 w0.15: J3.7@9.52,52.84 10.78,54.1 12.6,54.1 15,56.5 15,59.7 25.1,69.8 28.604,69.8 v1(28.957,69.446)
P310: J3.6 U1.60 | length 26.6
  Top L1 w0.15: v1(29.65,69.461) U1.60@30.595,68.515
  Sig L2 w0.15: J3.6@12.06,55.38 14.5,57.82 14.5,59.9 24.8,70.2 28.911,70.2 v1(29.65,69.461)
P311: J3.5 U1.59 | length 29.6
  Top L1 w0.15: v1(29.664,70.154) U1.59@30.949,68.869
  Sig L2 w0.15: J3.5@9.52,55.38 10.74,56.6 12.5,56.6 14,58.1 14,60.1 24.5,70.6 29.218,70.6 v1(29.664,70.154)
P312: J3.4 U1.58 | length 25.9
  Top L1 w0.15: v1(30.357,70.168) U1.58@31.303,69.223
  Sig L2 w0.15: J3.4@12.06,57.92 13.5,59.36 13.5,60.3 22.1,68.9 22.2,68.9 24.3,71 29.525,71 v1(30.357,70.168)
P313: J1.14 U1.47 | length 42.2
  Top L1 w0.15: v1(34.246,74.057) U1.47@35.192,73.112
  Sig L5 w0.15: J1.14@9.52,98.56 11.5,96.58 11.5,87.8 20.2,79.1 25.3,79.1 26.5,77.9 26.5,76.5 28.1,74.9 33.403,74.9 v1(34.246,74.057)
P400: J4.13 J6.4 U1.1 | length 84
  Top L1 w0.15: U1.1@53.647,64.273 53.92,64 v1(54.6,64)
  Sig L2 w0.15: v1(54.6,64) 56,64 58.3,61.7 58.3,48.6 61.68,45.22 J4.13@67.94,45.22 ; J6.4@61.59,5.85 62.84,4.6 64.7,4.6 65.4,5.3 65.4,6.5 66.8,7.9 69.9,7.9 74,12 v1(74,42.1)
  Sig L5 w0.15: J4.13@67.94,45.22 68.76,44.4 69.5,44.4 69.9,44 72.1,44 v1(74,42.1)
P401: J4.11 J6.2 U1.2 | length 80.6
  Top L1 w0.15: U1.2@53.294,64.626 53.967,65.3 v1(54.6,65.3)
  Sig L2 w0.15: v1(54.6,65.3) 55.4,65.3 58.8,61.9 58.8,48.8 v1(59.84,47.76) ; J6.2@66.67,5.85 68.22,7.4 70.1,7.4 74.5,11.8 v1(74.5,42.8)
  Sig L5 w0.15: v1(59.84,47.76) J4.11@67.94,47.76 69.1,46.6 72.1,46.6 74.5,44.2 v1(74.5,42.8)
P402: J1.27 J6.3 U1.3 | length 121
  Top L1 w0.15: U1.3@52.94,64.98 53.76,65.8 v1(54.1,65.8)
  Sig L2 w0.15: v1(54.1,65.8) 55.6,65.8 59.3,62.1 v1(59.3,49) ; v1(57.9,32.5) 57.9,18.9 64.13,12.67 J6.3@64.13,5.85
  Sig L5 w0.15: J1.27@6.98,80.78 8.26,79.5 10.1,79.5 15.5,74.1 26.1,74.1 27.4,72.8 36.4,72.8 38.5,70.7 48,70.7 52.9,65.8 v1(54.1,65.8)
  Sig L4 w0.15: v1(57.9,32.5) 57.9,34.6 59.3,36 v1(59.3,49)
P403: J4.2 J6.1 U1.4 | length 82.8
  Top L1 w0.15: U1.4@52.586,65.333 v1(53.553,66.3)
  Sig L2 w0.15: J6.1@69.21,5.85 75,11.64 75,43.5 76,44.5 v1(76,59)
  Sig L5 w0.15: v1(53.553,66.3) 57.4,66.3 61.8,61.9 69.04,61.9 J4.2@70.48,60.46 74.54,60.46 v1(76,59)
P404: J4.4 U1.5 | length 26.8
  Top L1 w0.15: U1.5@52.233,65.687 53.346,66.8 v1(54,66.8)
  Sig L2 w0.15: J4.4@70.48,57.92 72,59.44 v1(72,61.7)
  Sig L5 w0.15: v1(54,66.8) 57.6,66.8 62,62.4 71.3,62.4 v1(72,61.7)
P405: J4.6 U1.6 | length 30.7
  Top L1 w0.15: U1.6@51.879,66.041 v1(53.128,67.29) v1@53.139,67.3
  Sig L2 w0.15: J4.6@70.48,55.38 72.5,57.4 72.5,61.9 v1(71.5,62.9)
  Sig L5 w0.15: v1@53.139,67.3 57.8,67.3 62.2,62.9 v1(71.5,62.9)
P406: J4.8 U1.7 | length 30.8
  Top L1 w0.15: U1.7@51.526,66.394 v1(52.471,67.339)
  Sig L2 w0.15: v1(68.5,63.4) 69.2,62.7 69.2,54.12 J4.8@70.48,52.84
  Sig L5 w0.15: v1(52.471,67.339) 52.932,67.8 58,67.8 62.4,63.4 v1(68.5,63.4)
P407/USB_VBUS: E30.1 J2.22 U1.36 | length 65
  Top L1 w0.15: U1.36@41.273,76.647 v1(42.522,77.896)
  Sig L2 w0.15: v1(53.5,111.3) 53.5,93.4 v1(50.8,90.7) 54.3,87.2 71.82,87.2 J2.22@73.02,88.4
  Sig L5 w0.15: v1(42.522,77.896) 42.522,82.422 v1(50.8,90.7)
  Bot L6 w0.15: v1@53.5,111.325 E30.1@53.5,112.425 E30.1@53.5,112.45
P408: J2.16 U1.35 | length 42.2
  Top L1 w0.15: U1.35@41.626,76.294 v1(42.572,77.239)
  Sig L2 w0.15: v1(53.65,92.85) 55.6,94.8 71.8,94.8 J2.16@73.02,96.02
  Sig L5 w0.15: v1(42.572,77.239) 43,77.667 43,82.2 v1(53.65,92.85)
P409: J2.18 U1.34 | length 41
  Top L1 w0.15: U1.34@41.98,75.94 v1(43.229,77.189)
  Sig L2 w0.15: v1(53.7,92.2) 71.74,92.2 J2.18@73.02,93.48
  Sig L5 w0.15: v1(43.229,77.189) 43.5,77.46 43.5,82 v1(53.7,92.2)
P410: J2.2 U1.33 | length 55.1
  Top L1 w0.15: U1.33@42.333,75.586 v1(43.279,76.532)
  Sig L5 w0.15: v1(43.279,76.532) 44,77.253 44,81.8 64.9,102.7 64.9,110.9 69.1,115.1 71.72,115.1 J2.2@73.02,113.8
P411: J2.20 U1.32 | length 39.5
  Top L1 w0.15: U1.32@42.687,75.233 v1(43.936,76.482)
  Sig L2 w0.15: v1(52.6,89.7) 71.78,89.7 J2.20@73.02,90.94
  Sig L5 w0.15: v1(43.936,76.482) 44.5,77.046 44.5,81.6 v1(52.6,89.7)
P412: J2.1 U1.31 | length 50.3
  Top L1 w0.15: U1.31@43.041,74.879 v1(43.986,75.825)
  Sig L5 w0.15: v1(43.986,75.825) 45,76.839 45,81.4 65.4,101.8 65.4,108.72 J2.1@70.48,113.8
P413: J2.8 U1.30 | length 47
  Top L1 w0.15: U1.30@43.394,74.526 v1(44.643,75.775)
  Sig L2 w0.15: v1(65.9,104.3) 66.5,104.9 71.74,104.9 J2.8@73.02,106.18
  Sig L5 w0.15: v1(44.643,75.775) 45.5,76.632 45.5,81.2 65.9,101.6 v1(65.9,104.3)
P414: J2.3 U1.29 | length 48.2
  Top L1 w0.15: U1.29@43.748,74.172 v1(44.693,75.118)
  Sig L5 w0.15: v1(44.693,75.118) 46,76.425 46,81 66.4,101.4 66.4,107.18 J2.3@70.48,111.26
P415: J2.5 U1.28 | length 45.8
  Top L1 w0.15: U1.28@44.101,73.819 v1(45.35,75.068)
  Sig L5 w0.15: v1(45.35,75.068) 46.5,76.218 46.5,80.8 66.9,101.2 66.9,105.14 J2.5@70.48,108.72
P500: J4.20 U1.113 | length 34.3
  Top L1 w0.15: U1.113@42.687,50.767 v1(43.736,49.718)
  Sig L2 w0.15: v1(43.736,49.718) v1(56.4,37.054) ; v1(66.7,36.8) 67.2,36.3 69.18,36.3 J4.20@70.48,37.6
  Sig L5 w0.15: v1(56.4,37.054) 56.654,36.8 v1(66.7,36.8)
P501: J4.18 U1.114 | length 33
  Top L1 w0.15: U1.114@43.041,51.121 v1(44.408,49.754)
  Sig L2 w0.15: v1(44.408,49.754) v1(54.761,39.4) ; v1(66.3,39.4) 66.8,38.9 69.24,38.9 J4.18@70.48,40.14
  Sig L5 w0.15: v1(54.761,39.4) v1(66.3,39.4)
P502: J4.16 U1.115 | length 30.7
  Top L1 w0.15: U1.115@43.394,51.474 v1(44.443,50.425)
  Sig L2 w0.15: v1(44.443,50.425) v1(50.968,43.9)
  Sig L5 w0.15: v1(50.968,43.9) 69.26,43.9 J4.16@70.48,42.68
P503: J4.14 U1.116 | length 31
  Top L1 w0.15: U1.116@43.748,51.828 v1(45.115,50.461)
  Sig L2 w0.15: v1(45.115,50.461) v1(52.175,43.4) ; v1(66.4,43.4) 66.9,43.9 69.16,43.9 J4.14@70.48,45.22
  Sig L5 w0.15: v1(52.175,43.4) v1(66.4,43.4)
P504: J4.12 U1.117 | length 31
  Top L1 w0.15: U1.117@44.101,52.181 v1(45.15,51.132)
  Sig L2 w0.15: v1(45.15,51.132) v1(51.882,44.4) ; v1(66.5,46) 67,46.5 69.22,46.5 J4.12@70.48,47.76
  Sig L5 w0.15: v1(51.882,44.4) 59.9,44.4 61.2,45.7 66.2,45.7 v1(66.5,46)
P505: J4.10 U1.118 | length 32.4
  Top L1 w0.15: U1.118@44.455,52.535 v1(45.822,51.168)
  Sig L2 w0.15: v1(45.822,51.168) v1(51.09,45.9) ; v1(66.5,47) 66.5,48.3 67.2,49 69.18,49 J4.10@70.48,50.3
  Sig L5 w0.15: v1(51.09,45.9) 52.09,44.9 54.6,44.9 54.8,44.7 55.2,44.7 55.4,44.9 59.7,44.9 61,46.2 65.7,46.2 v1(66.5,47)
P506: J4.22 U1.119 | length 36
  Top L1 w0.15: U1.119@44.808,52.888 v1(45.857,51.839)
  Sig L2 w0.15: v1(47.5,45.247) v1(56.447,36.3)
  Sig L5 w0.15: v1(45.857,51.839) 46.382,51.314 46.382,50.218 47.5,49.1 v1(47.5,45.247) ; v1(56.447,36.3) 69.24,36.3 J4.22@70.48,35.06
P508: J4.24 U1.120 | length 35.8
  Top L1 w0.15: U1.120@45.162,53.242 47,51.404 v1(47,51.1)
  Sig L2 w0.15: v1(57,46.4) 65.5,37.9 65.5,35 66.7,33.8 69.2,33.8 J4.24@70.48,32.52
  Sig L5 w0.15: v1(47,51.1) 50.4,47.7 55.7,47.7 v1(57,46.4)
P511: J1.35 U1.144 | length 53
  Top L1 w0.15: U1.144@53.647,61.727 v1(54.574,60.8)
  Sig L2 w0.15: J1.35@6.98,70.62 8.2,69.4 10.4,69.4 v1(15,64.8)
  Sig L5 w0.15: v1(15,64.8) 29.4,64.8 33.4,60.8 v1(54.574,60.8)
P512: J4.15 U1.143 | length 27.8
  Top L1 w0.15: U1.143@53.294,61.374 54.367,60.3 v1(55.1,60.3)
  Sig L2 w0.15: v1(55.1,60.3) 57.8,57.6 57.8,48.4 63.52,42.68 J4.15@67.94,42.68
P600: J1.23 U1.98 | length 68.2
  Top L1 w0.15: v1(33.907,51.604) U1.98@35.192,52.888
  Sig L2 w0.15: J1.23@6.98,85.86 4.5,83.38 4.5,65.2 6.3,63.4 6.3,51.6 8.9,49 13.5,49 14.2,48.3 30.603,48.3 v1(33.907,51.604)
P601: J1.19 U1.97 | length 75.1
  Top L1 w0.15: v1(33.893,52.297) U1.97@34.838,53.242
  Sig L2 w0.15: v1(5.3,49.9) 5.3,63 3.5,64.8 3.5,87.46 J1.19@6.98,90.94 ; v1(14.5,48.8) 30.396,48.8 v1(33.893,52.297)
  Sig L5 w0.15: v1(5.3,49.9) 6.1,49.1 13.6,49.1 13.9,48.8 v1(14.5,48.8)
P602: J1.21 U1.96 | length 69.8
  Top L1 w0.15: v1(33.2,52.311) U1.96@34.485,53.595
  Sig L2 w0.15: v1(5.8,52.2) 5.8,63.2 4,65 4,85.42 J1.21@6.98,88.4 ; v1(15,49.3) 30.189,49.3 v1(33.2,52.311)
  Sig L5 w0.15: v1(5.8,52.2) 6.5,51.5 12.8,51.5 v1(15,49.3)
P603: J1.25 U1.95 | length 62.1
  Top L1 w0.15: v1(33.186,53.004) U1.95@34.131,53.949
  Sig L2 w0.15: v1(6.8,55) 6.8,63.6 5,65.4 5,81.34 J1.25@6.98,83.32 ; v1(15.5,49.8) 29.982,49.8 v1(33.186,53.004)
  Sig L5 w0.15: v1(6.8,55) 7.6,54.2 12.9,54.2 13.9,53.2 13.9,51.4 v1(15.5,49.8)
P604: J3.36 U1.94 | length 48.5
  Top L1 w0.15: v1(32.493,53.018) U1.94@33.777,54.303
  Sig L2 w0.15: J3.36@12.06,17.28 16.38,17.28 26,26.9 v1(26,28)
  Sig L5 w0.15: v1(26,28) 26,29.2 28.6,31.8 28.6,44.9 30.5,46.8 30.5,51.025 v1(32.493,53.018)
P605: J3.35 U1.93 | length 50.9
  Top L1 w0.15: v1(32.479,53.711) U1.93@33.424,54.656
  Sig L2 w0.15: J3.35@9.52,17.28 10.74,18.5 16.9,18.5 v1(25.5,27.1)
  Sig L5 w0.15: v1(25.5,27.1) 25.5,29.4 28.1,32 28.1,45.1 30,47 30,51.232 v1(32.479,53.711)
P608: J3.19 U1.83 | length 36.2
  Top L1 w0.15: v1(28.615,56.918) U1.83@29.888,58.192
  Sig L2 w0.15: v1(14.5,39.3) 23.5,39.3 v1(24,39.8)
  Sig L5 w0.15: J3.19@9.52,37.6 10.82,38.9 14.1,38.9 v1(14.5,39.3) ; v1(24,39.8) 24,52.303 v1(28.615,56.918)
P609: J3.20 U1.84 | length 36
  Top L1 w0.15: v1(29.297,56.893) U1.84@30.242,57.838
  Sig L2 w0.15: J3.20@12.06,37.6 26.1,37.6 v1(26.6,38.1)
  Sig L5 w0.15: v1(26.6,38.1) 26.6,54.196 v1(29.297,56.893)
P610: J3.21 U1.85 | length 40.3
  Top L1 w0.15: v1(29.311,56.2) U1.85@30.595,57.485
  Sig L2 w0.15: J3.21@9.52,35.06 10.76,36.3 26.4,36.3 v1(26.8,36.7)
  Sig L5 w0.15: v1(26.8,36.7) 27.1,37 27.1,53.989 v1(29.311,56.2)
P611: J3.22 U1.86 | length 37.5
  Top L1 w0.15: v1(30.004,56.186) U1.86@30.949,57.131
  Sig L2 w0.15: J3.22@12.06,35.06 24.06,35.06 v1(24.6,35.6) ; v1(24.6,51.3) 24.6,51.7 27.8,54.9 28.718,54.9 v1(30.004,56.186)
  Sig L5 w0.15: v1(24.6,35.6) v1(24.6,51.3)
P612: J3.23 U1.87 | length 41.9
  Top L1 w0.15: v1(30.018,55.493) U1.87@31.303,56.777
  Sig L2 w0.15: J3.23@9.52,32.52 10.8,33.8 24.6,33.8 v1(25.1,34.3) ; v1(25.1,50.8) 25.1,51.5 28,54.4 28.925,54.4 v1(30.018,55.493)
  Sig L5 w0.15: v1(25.1,34.3) v1(25.1,50.8)
P613: J3.24 U1.88 | length 40
  Top L1 w0.15: v1(30.711,55.479) U1.88@31.656,56.424
  Sig L2 w0.15: J3.24@12.06,32.52 24.32,32.52 v1(25.6,33.8) ; v1(25.6,51.3) 26.8,52.5 28.2,52.5 29.321,53.621 29.321,54.089 v1(30.711,55.479)
  Sig L5 w0.15: v1(25.6,33.8) v1(25.6,51.3)
P614: J3.25 U1.89 | length 44.1
  Top L1 w0.15: v1(30.725,54.786) U1.89@32.01,56.07
  Sig L2 w0.15: J3.25@9.52,29.98 10.74,31.2 24.5,31.2 v1(26.1,32.8) ; v1(26.1,50.8) 27.3,52 28.4,52 30.725,54.325 v1(30.725,54.786)
  Sig L5 w0.15: v1(26.1,32.8) v1(26.1,50.8)
P700: J4.9 U1.8 | length 31.1
  Top L1 w0.15: U1.8@51.172,66.748 v1(52.421,67.997)
  Sig L2 w0.15: v1(52.421,67.997) 52.425,68 54.1,68 59.8,62.3 59.8,51.3 60.8,50.3 v1(62.9,50.3)
  Sig L5 w0.15: v1(62.9,50.3) J4.9@67.94,50.3
P701: J4.7 U1.9 | length 29.3
  Top L1 w0.15: U1.9@50.819,67.101 v1(51.764,68.046)
  Sig L2 w0.15: v1(51.764,68.046) 52.218,68.5 54.3,68.5 60.3,62.5 60.3,53.7 v1(61.16,52.84)
  Sig L5 w0.15: v1(61.16,52.84) J4.7@67.94,52.84
P702: J4.5 U1.10 | length 26.7
  Top L1 w0.15: U1.10@50.465,67.455 v1(51.714,68.704)
  Sig L2 w0.15: v1(51.714,68.704) 51.91,68.9 54.6,68.9 60.8,62.7 60.8,57.5 v1(61.3,57)
  Sig L5 w0.15: v1(61.3,57) 66.32,57 J4.5@67.94,55.38
P703: J4.3 U1.11 | length 25.6
  Top L1 w0.15: U1.11@50.112,67.808 v1(51.057,68.754)
  Sig L2 w0.15: v1(51.057,68.754) 51.603,69.3 54.9,69.3 61.3,62.9 61.3,58.8 v1(61.8,58.3)
  Sig L5 w0.15: v1(61.8,58.3) 66.2,58.3 66.58,57.92 J4.3@67.94,57.92
P704: J4.1 U1.12 | length 23.8
  Top L1 w0.15: U1.12@49.758,68.162 v1(51.007,69.411)
  Sig L2 w0.15: v1(51.007,69.411) 51.296,69.7 55.2,69.7 61.8,63.1 v1(61.8,61.2)
  Sig L5 w0.15: v1(61.8,61.2) 62.54,60.46 J4.1@67.94,60.46
P705: J2.39 U1.13 | length 23.5
  Top L1 w0.15: U1.13@49.405,68.515 v1(50.35,69.461)
  Sig L2 w0.15: v1(50.35,69.461) 50.889,70 55.7,70 60.16,65.54 v1(61.8,65.54)
  Sig L5 w0.15: v1(61.8,65.54) J2.39@70.48,65.54
P708: J2.7 U1.27 | length 43.5
  Top L1 w0.15: U1.27@44.455,73.465 v1(45.4,74.41)
  Sig L5 w0.15: v1@45.39,74.4 47,76.01 47,80.6 67.4,101 67.4,103.1 J2.7@70.48,106.18
P709: J2.11 U1.26 | length 40
  Top L1 w0.15: U1.26@44.808,73.112 v1(46.057,74.361)
  Sig L5 w0.15: v1(46.057,74.361) 47.5,75.803 47.5,80.4 68.2,101.1 J2.11@70.48,101.1
P710: J2.13 U1.25 | length 38.7
  Top L1 w0.15: U1.25@45.162,72.758 v1(46.107,73.703)
  Sig L5 w0.15: v1(46.107,73.703) 48,75.596 48,80.2 66.36,98.56 J2.13@70.48,98.56